# Altium PCB PCIe_to_M2E.PcbDoc (part 1 of 6)
Units mm, origin at the board's own origin, x right, y up, seen from the top; angles counter-clockwise.
Board outline 90 x 100 mm, 6 copper layers (1_TOP, 2_GND, 3_Signal, 4_GND, 5_Signal, 6_BOTTOM), stack 1.617 mm thick; 433 components, 362 nets, 1771 pads, 2680 vias.
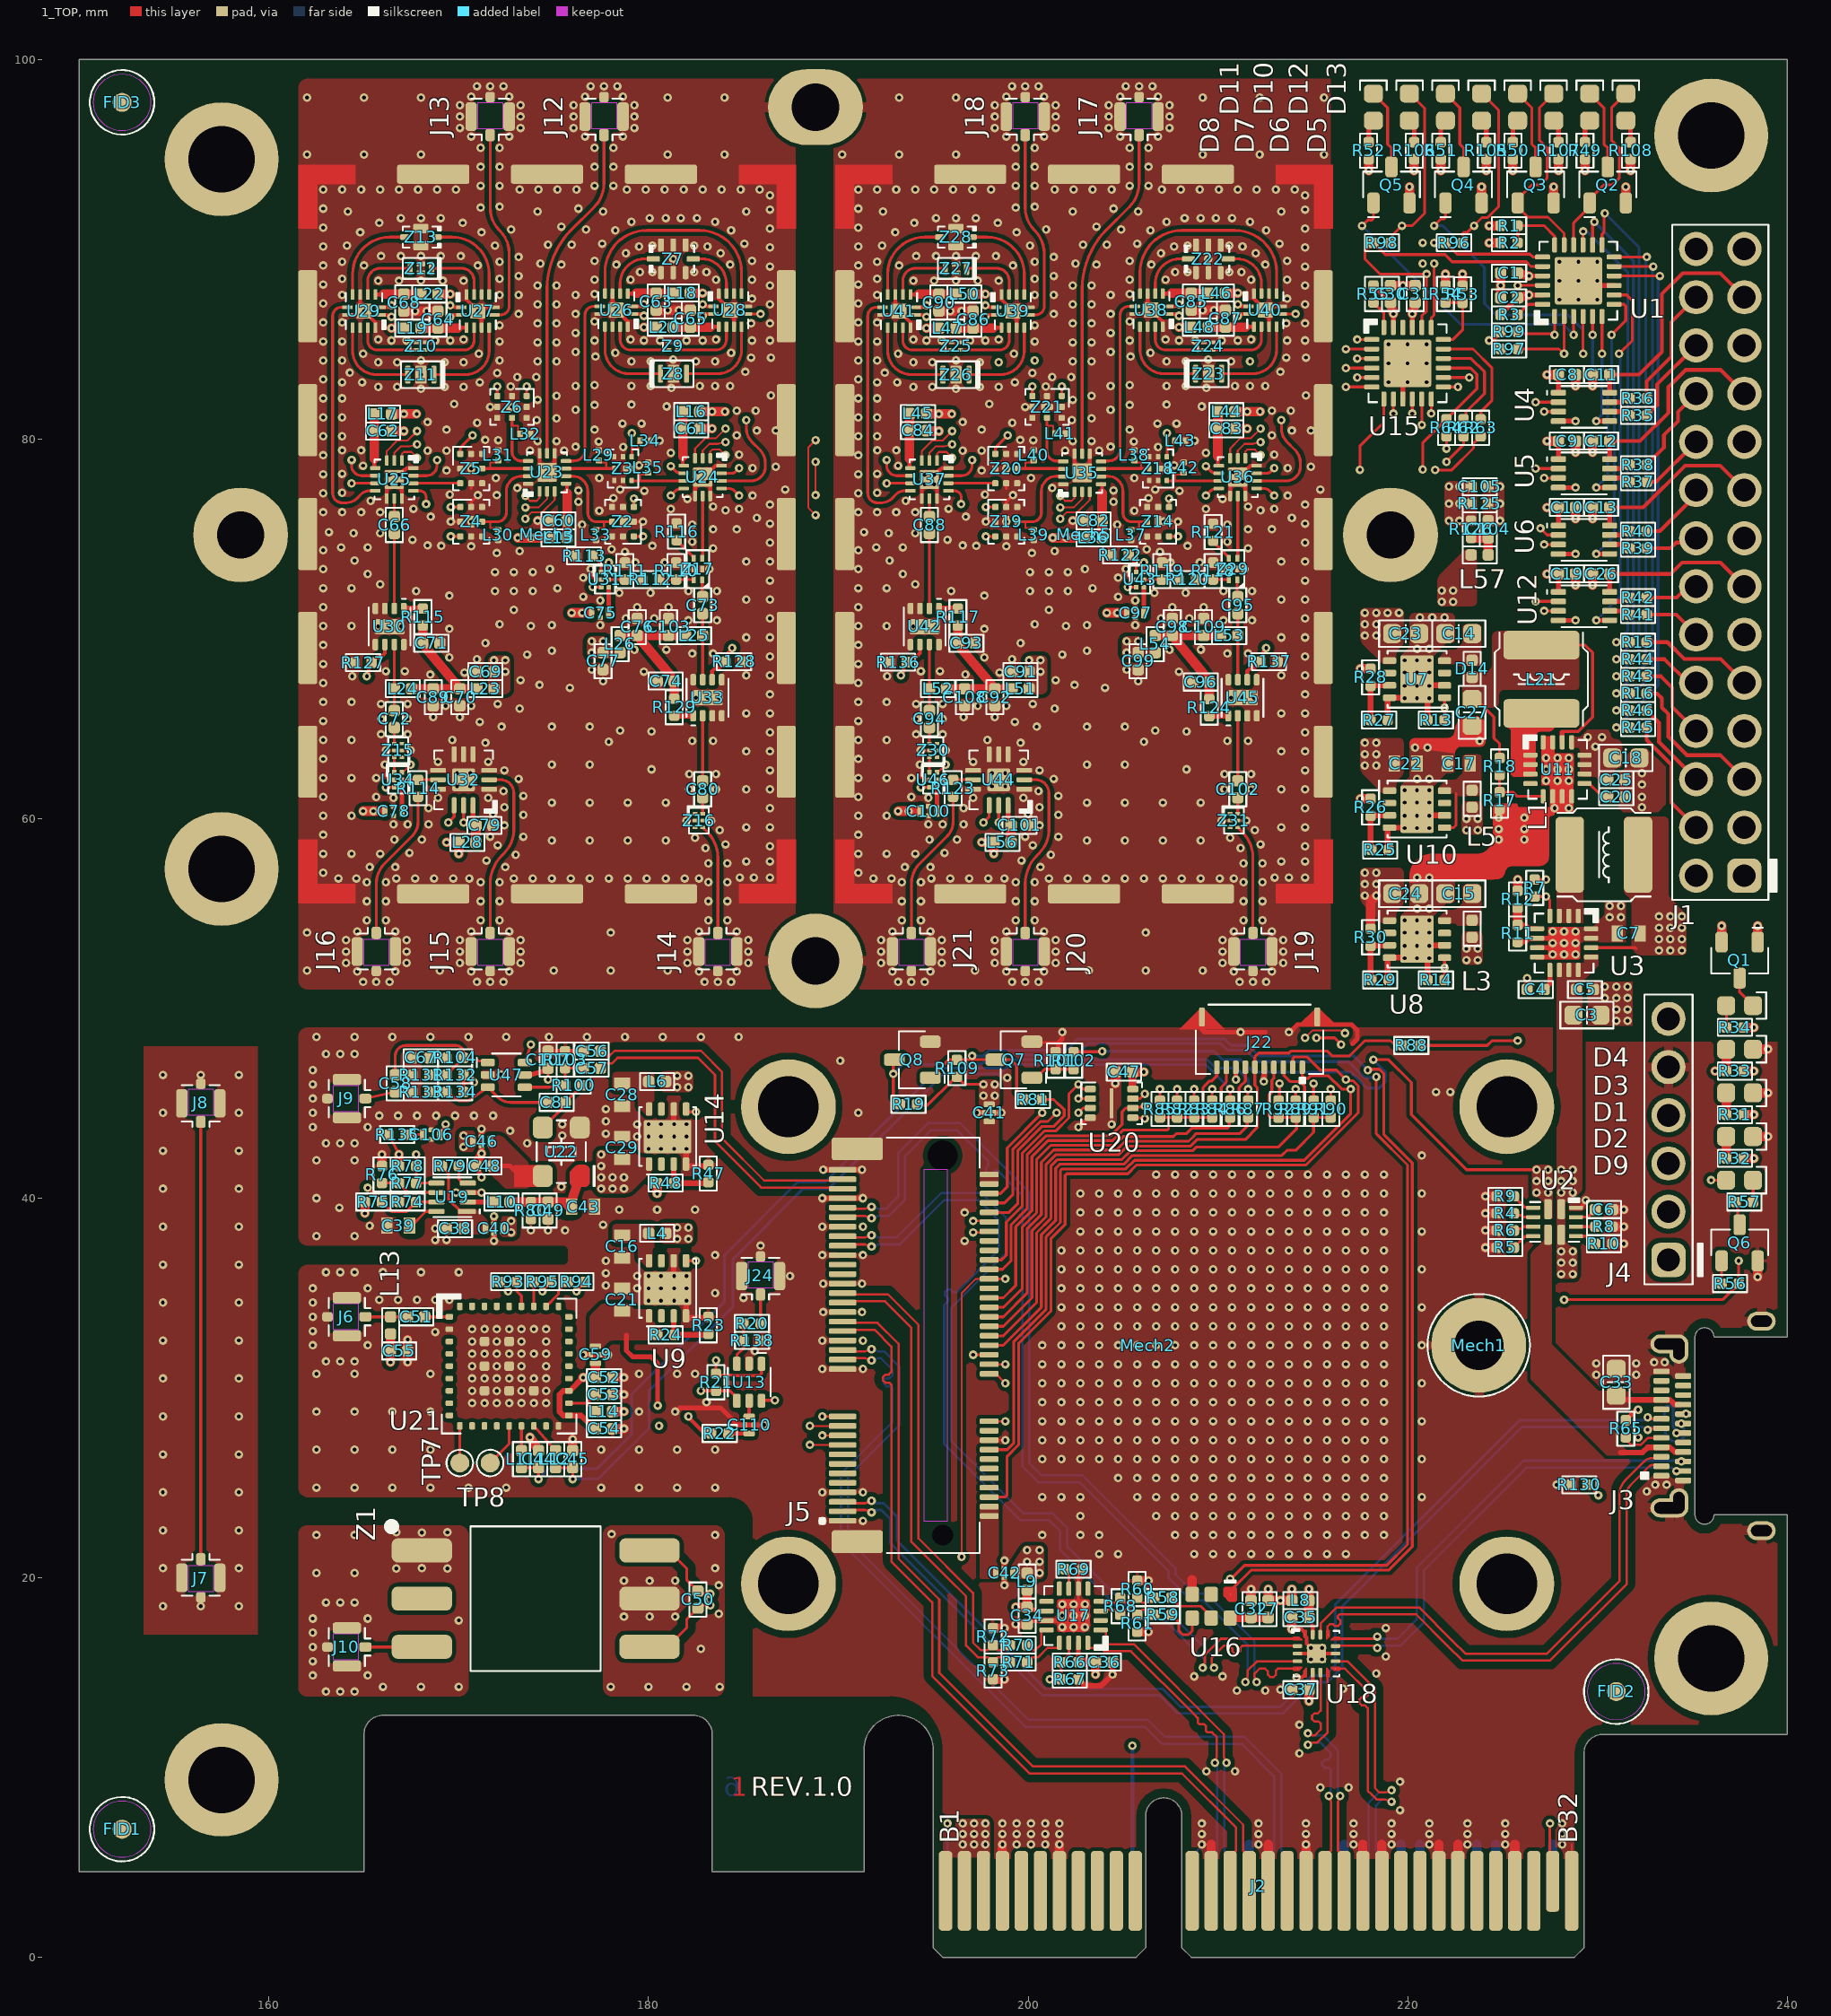
[diagram p0: 1_TOP view]
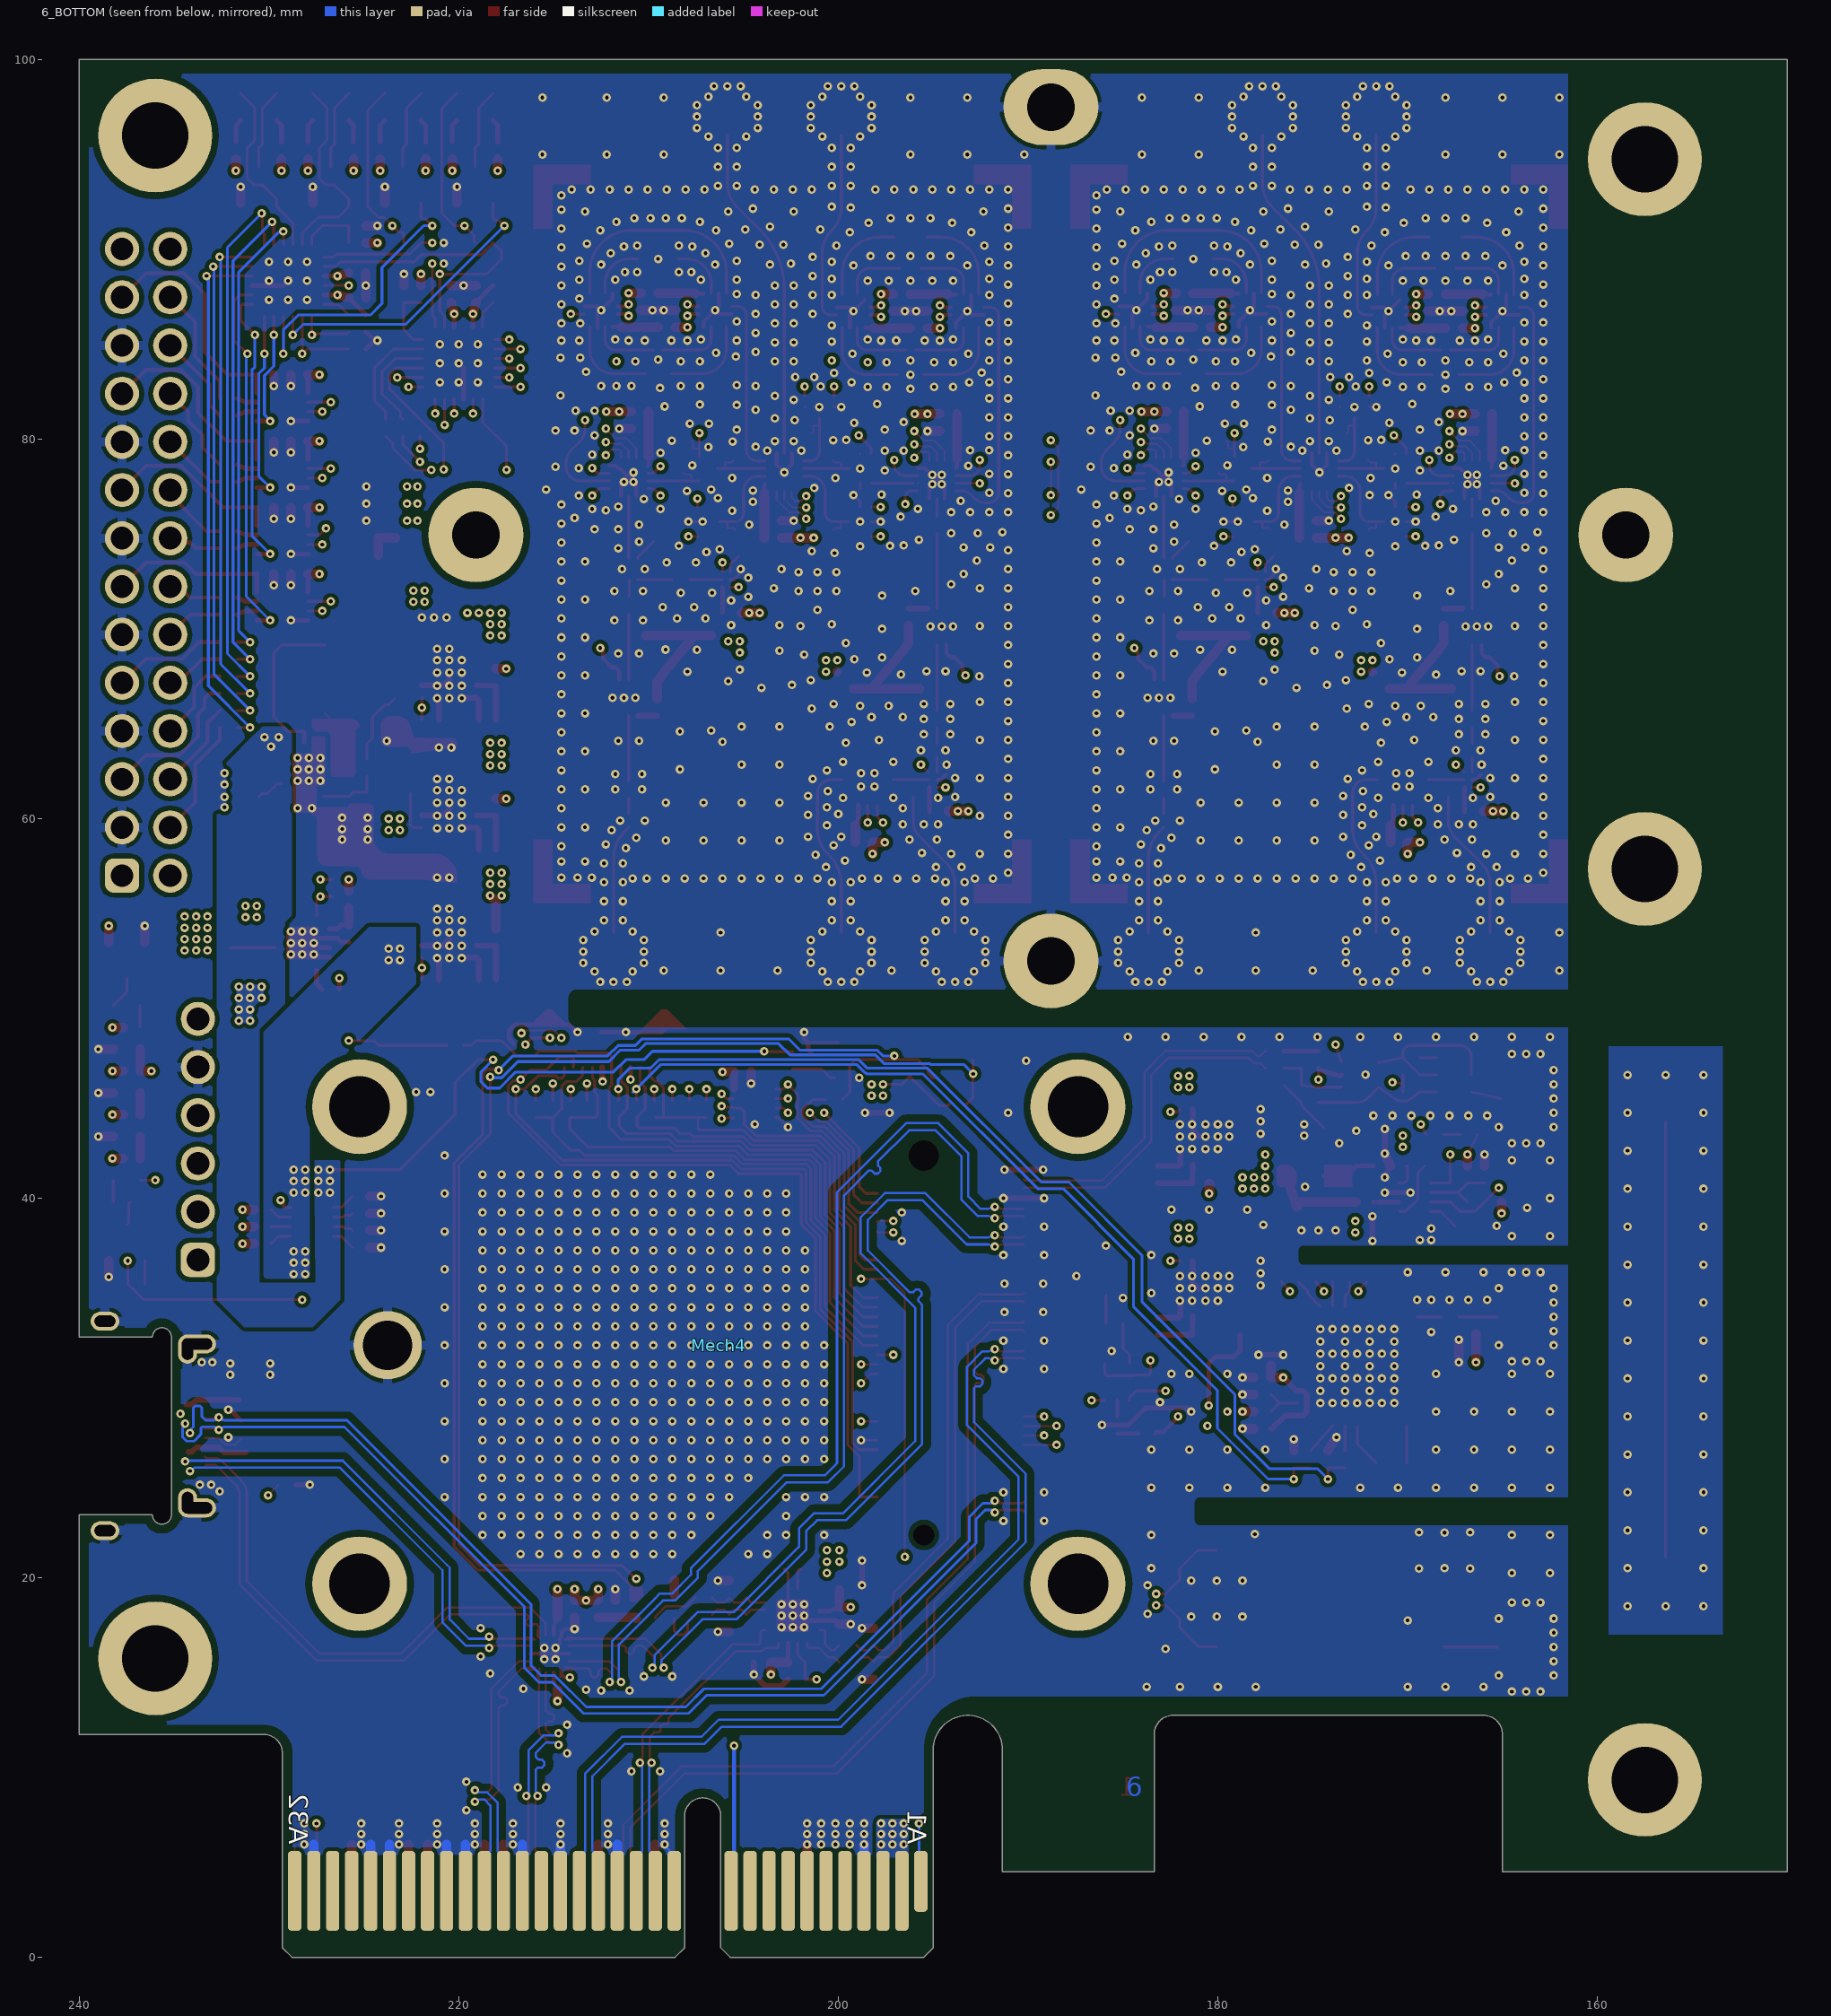
[diagram p1: 6_BOTTOM view, seen from below]
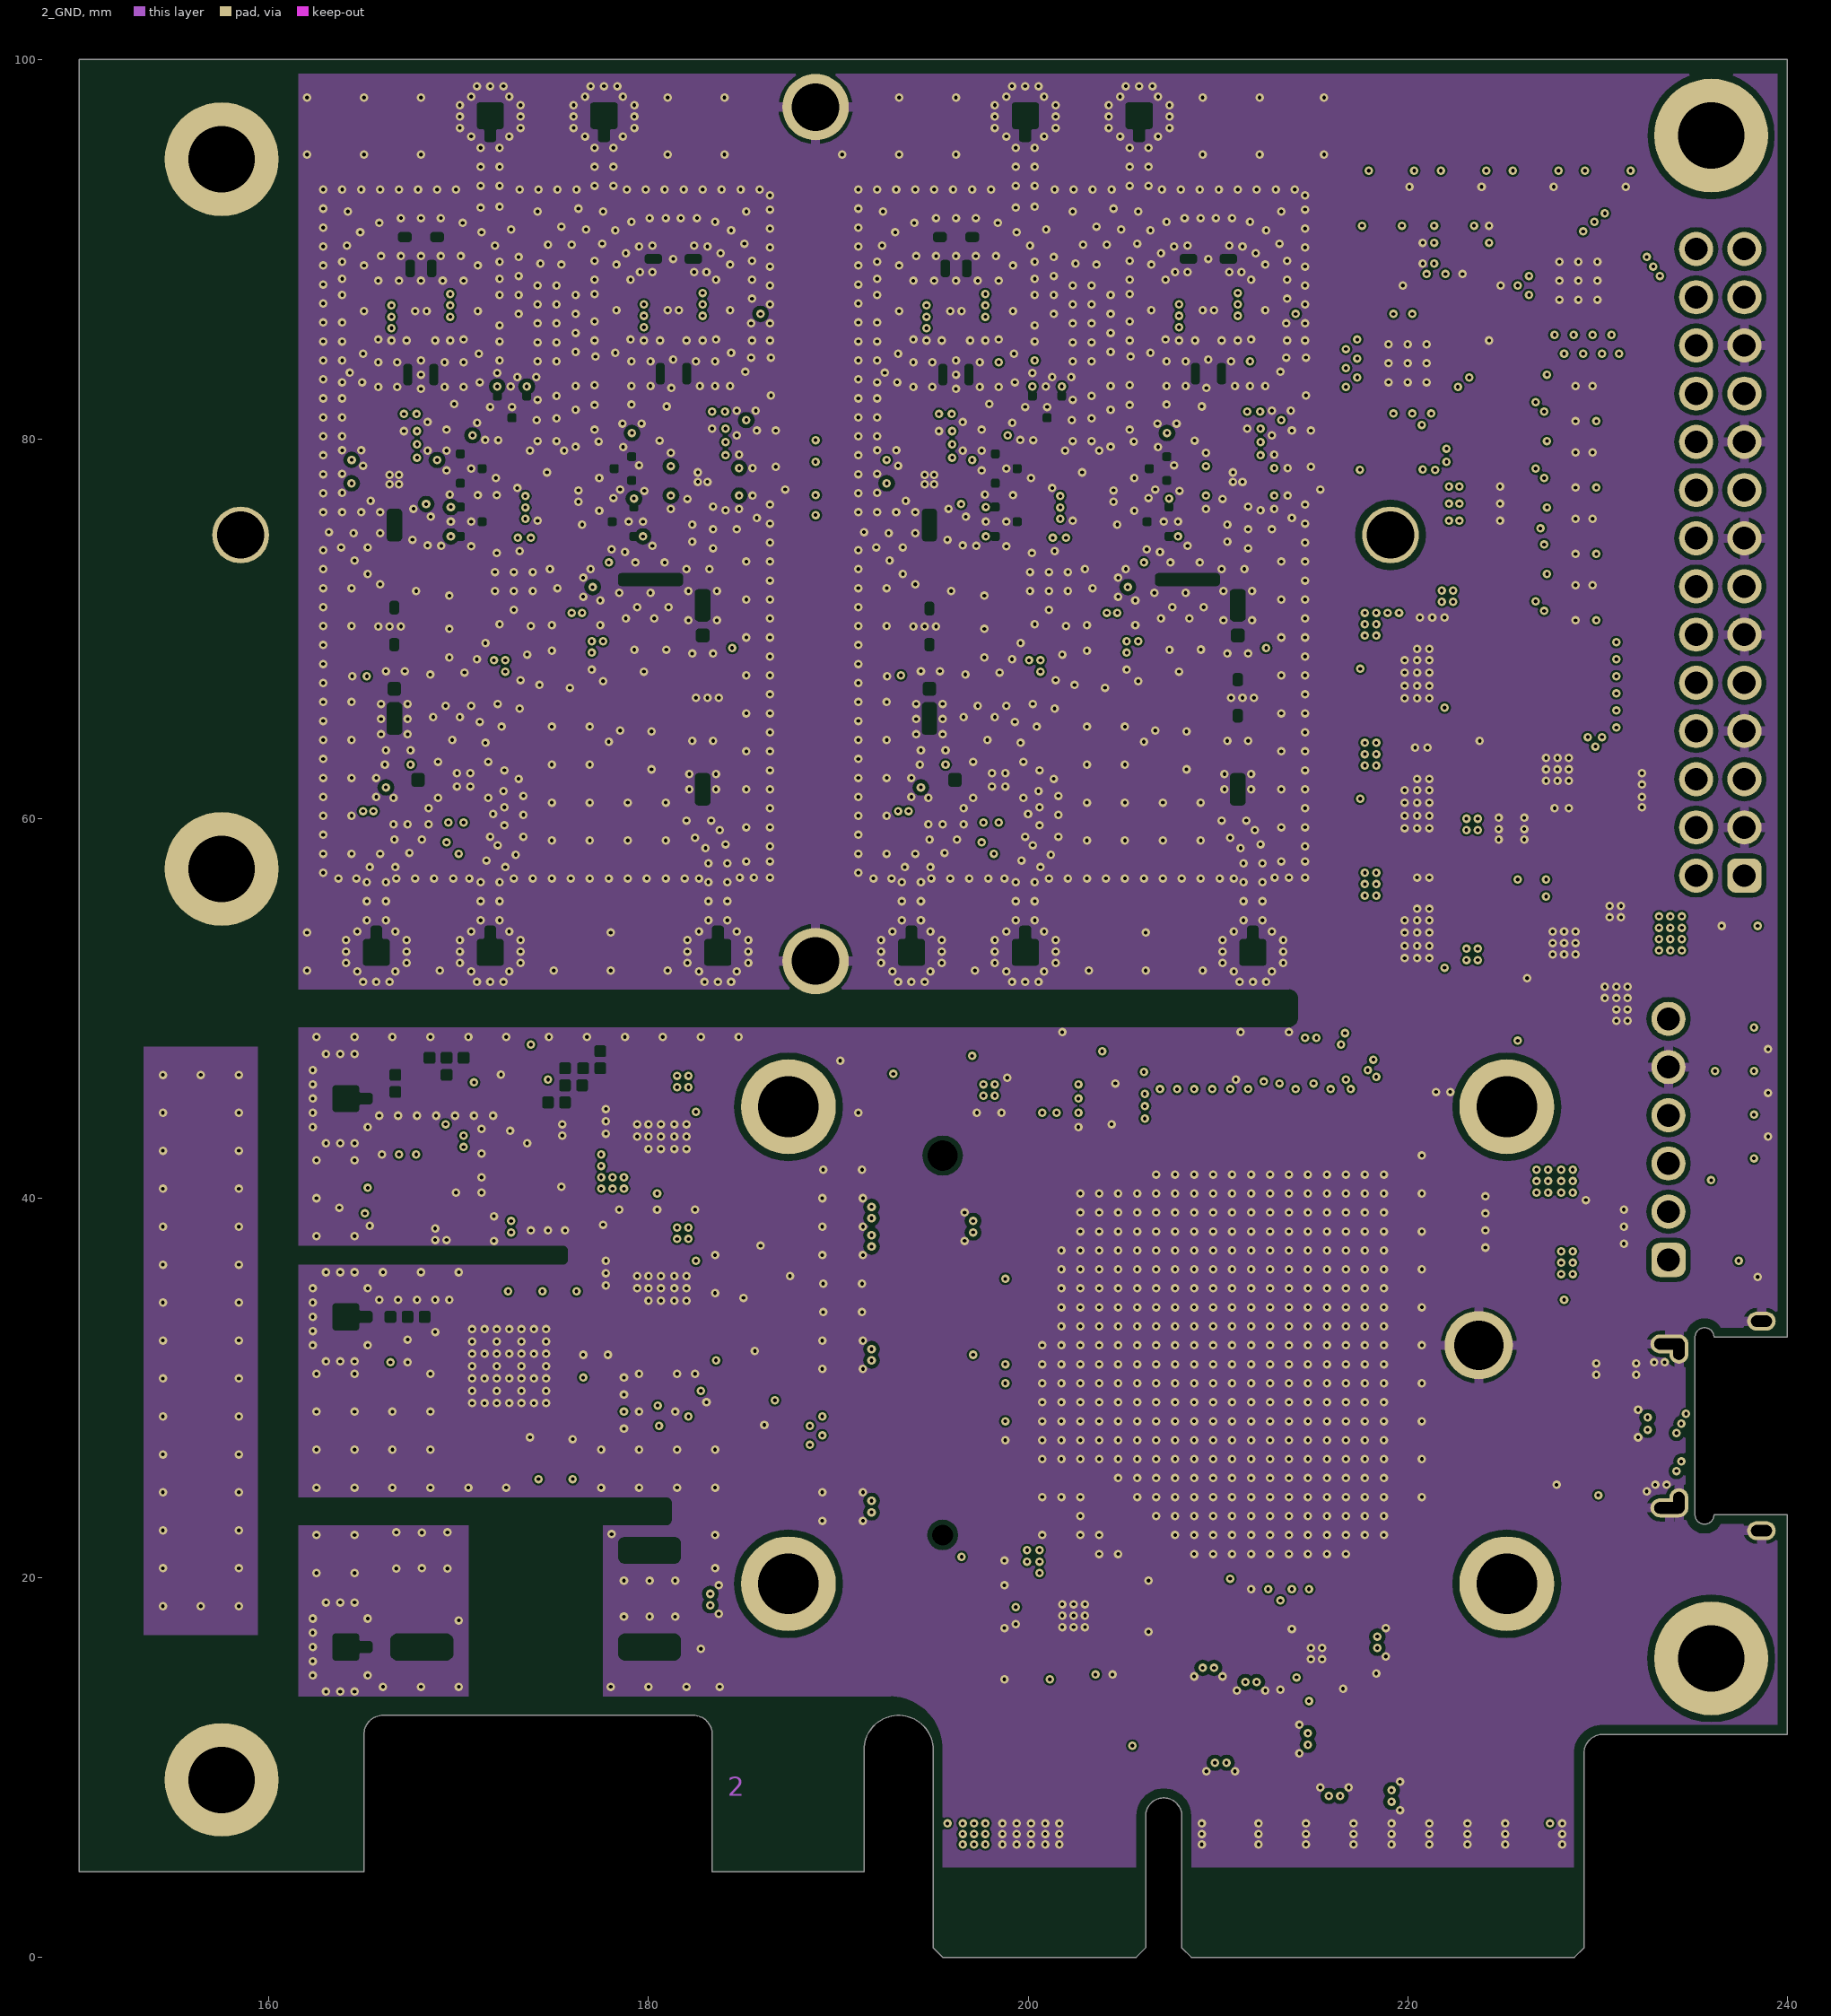
[diagram p2: 2_GND]
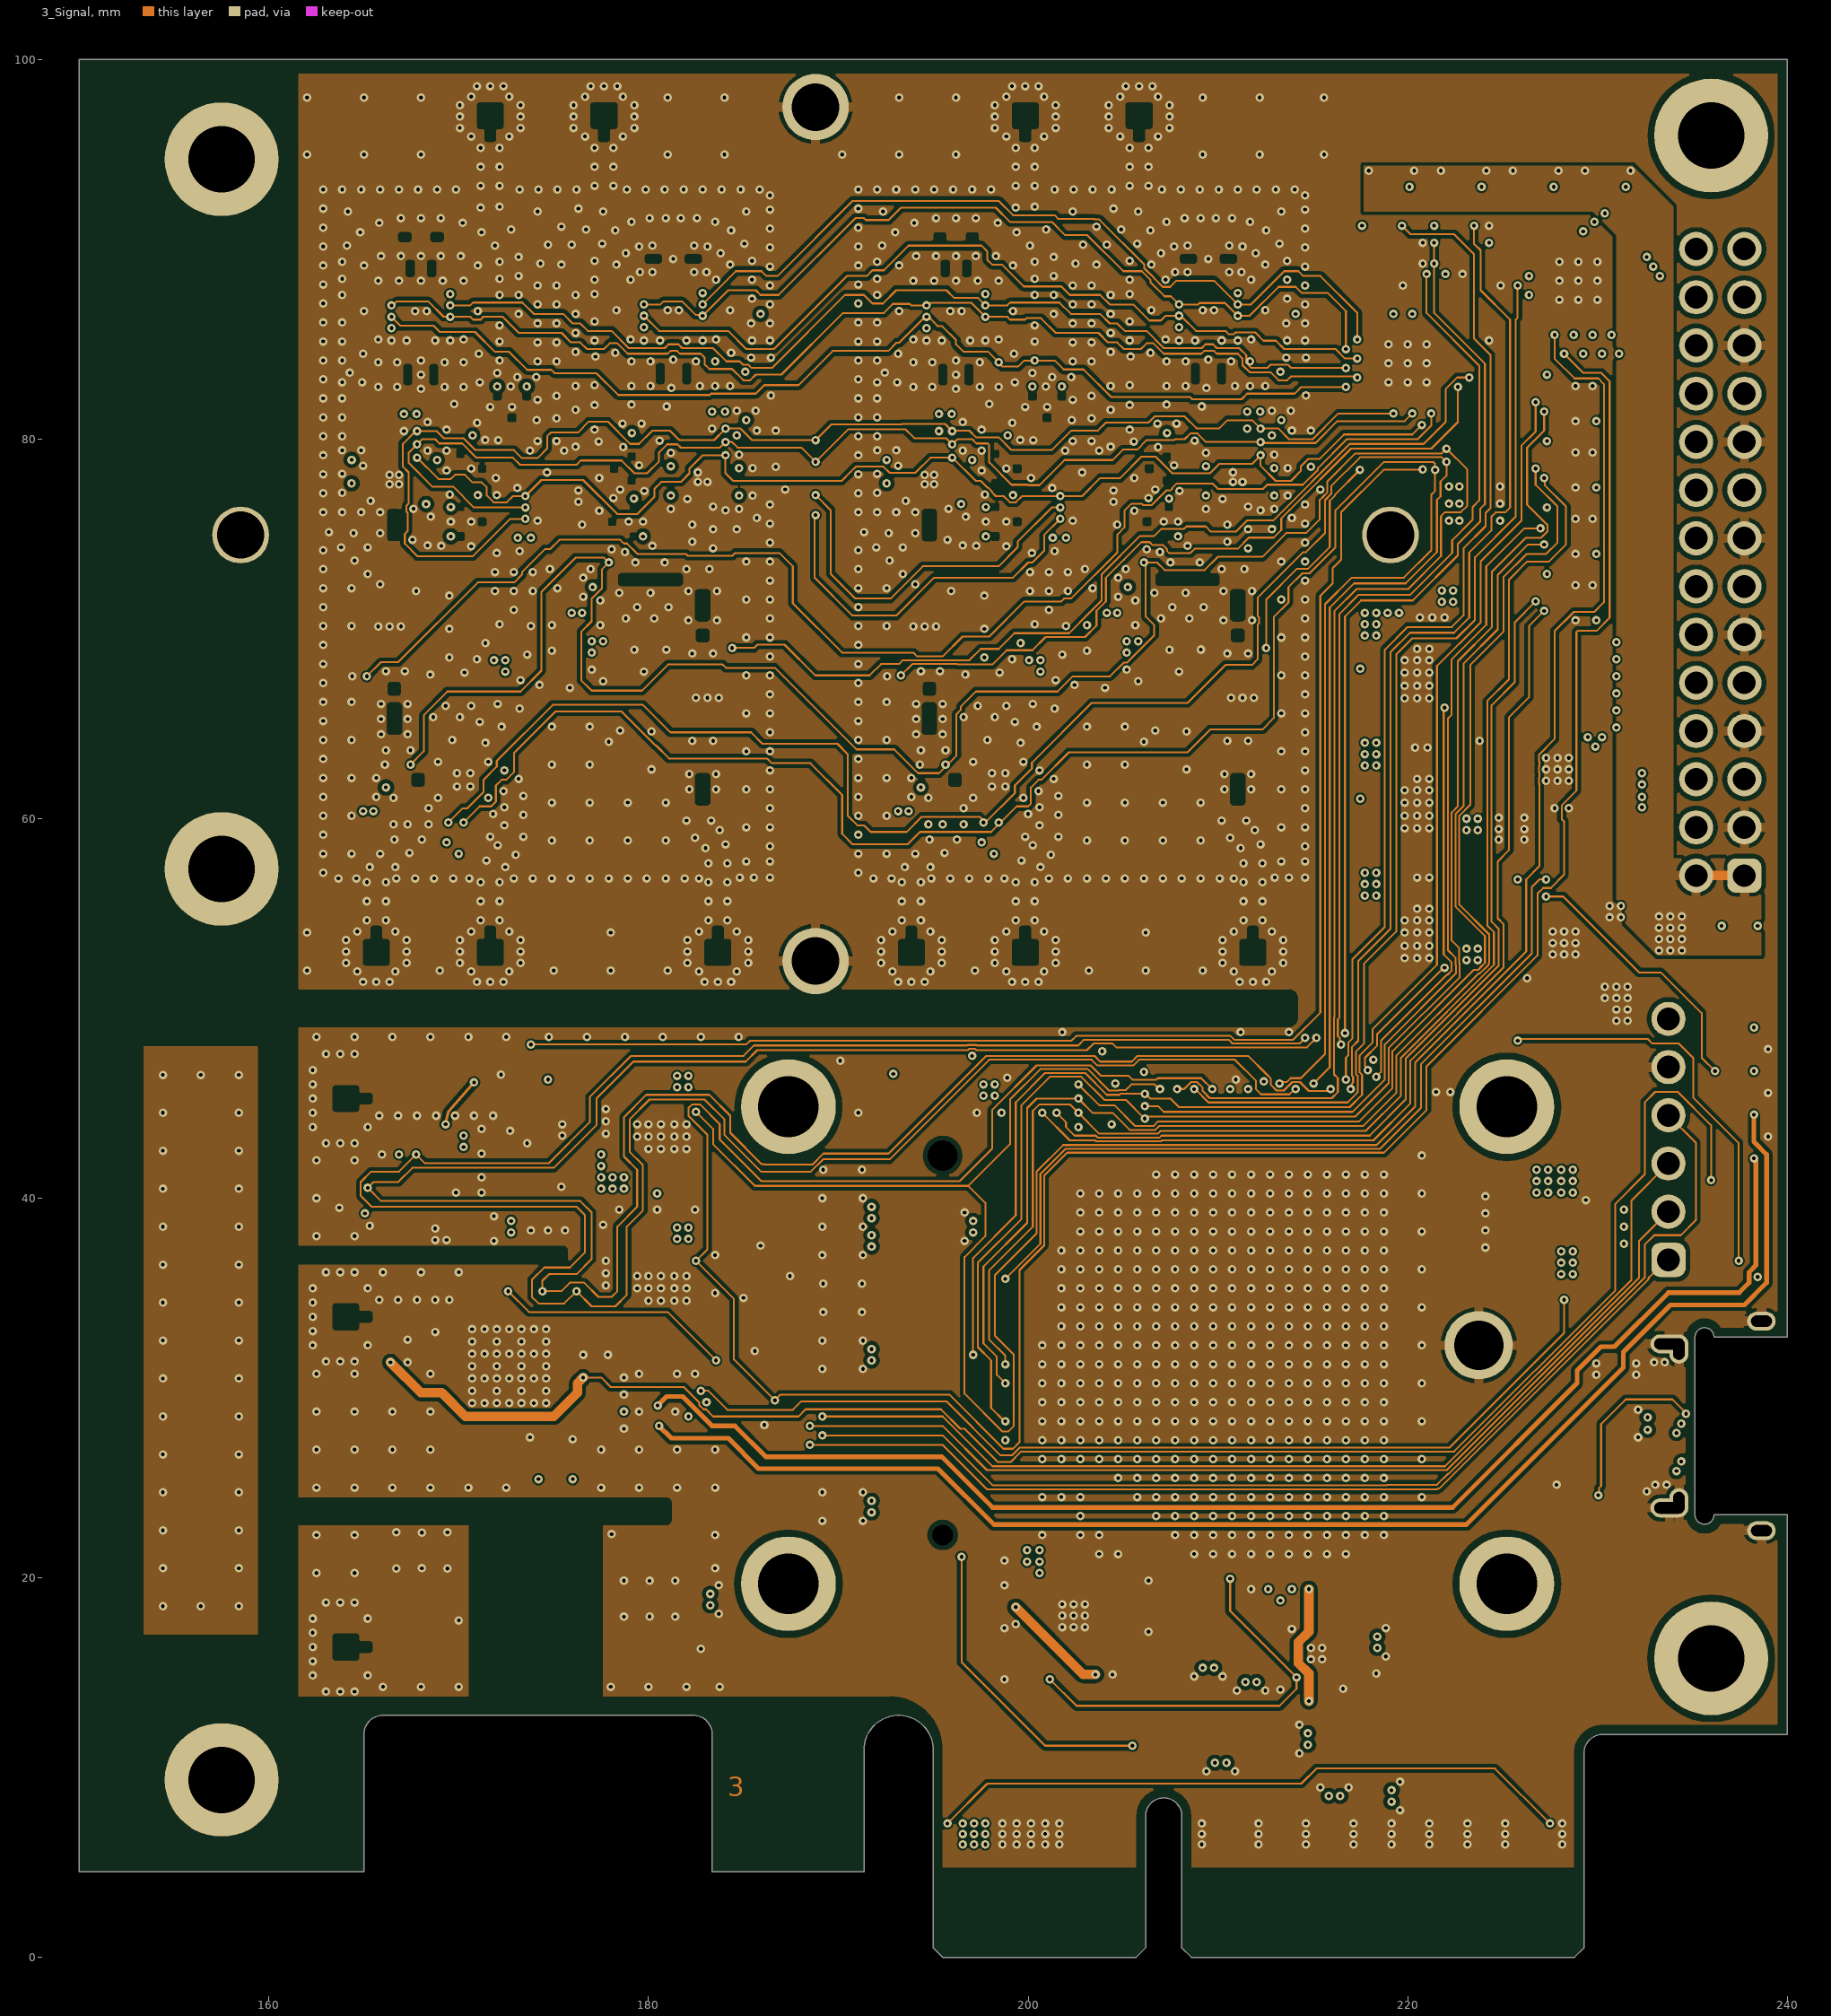
[diagram p3: 3_Signal]